# KiCad board GateMateA1-EVB_Rev_A.kicad_pcb (continued)
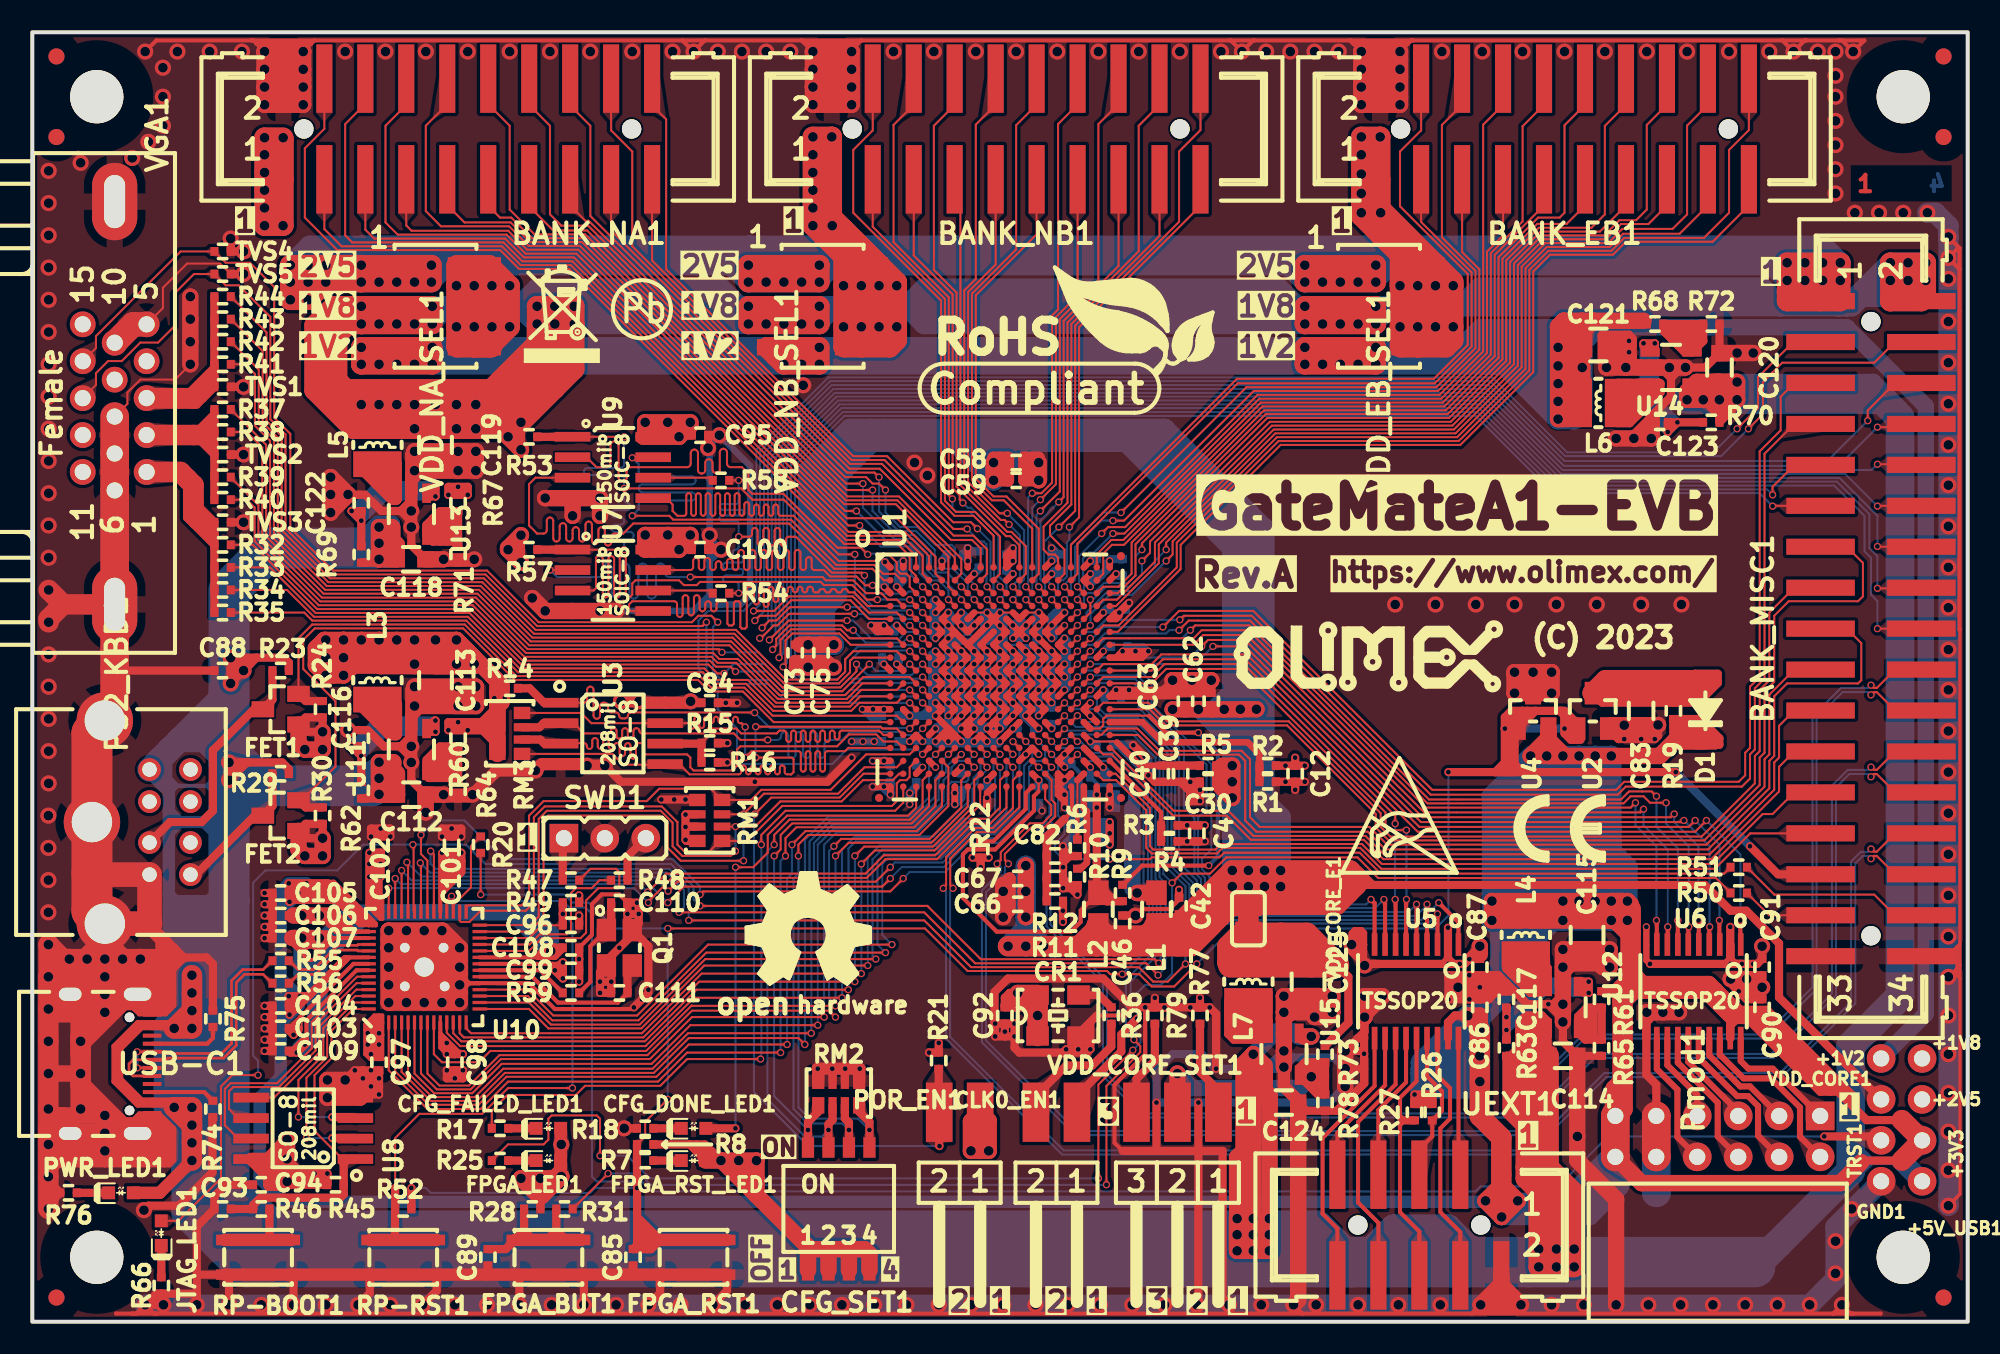
[diagram p0: board, top side]
## Routing (per net, layer and track width the routed paths; a pad name or vN(x,y) marks a point on that pad's centre or on a via; arc(x,y) is an arc through that point) (continued)
VDD_CORE: length 753.7
  Top w0.406: U1.G6 v2(57.6,41.6) U1.H7 v2(57.6,40.8) U1.J6 v2(57.6,40) U1.K7 v2(57.6,39.2) U1.L6 v2(57.6,38.4) U1.M7 v2(57.6,37.6) U1.N6 ; U1.G10 v2(60.8,41.6) U1.H11 v2(60.8,40.8) U1.J10 v2(60.8,40) U1.K11 v2(60.8,39.2) U1.L10 v2(60.8,38.4) U1.M11 v2(60.8,37.6) U1.N10 ; U1.N8 v2(59.2,37.6) U1.M9 v2(59.2,38.4) U1.L8 v2(59.2,39.2) U1.K9 v2(59.2,40) U1.J8 v2(59.2,40.8) U1.H9 v2(59.2,41.6) U1.G8 U1.F9 ; U1.G12 v2(62.4,41.6) U1.H13 v2(62.4,40.8) U1.J12 v2(62.4,40) U1.K13 v2(62.4,39.2) U1.L12 v2(62.4,38.4) U1.M13 v2(62.4,37.6)
  Top w0.508: C73.2 47.6,42.01 ; 68.2,23.3 68.2,23.59 C46.1 ; R73.2 81.6,18.56 81.6,21.4 80.88,22.12 ; 73.8,33.5 73.8,34.5 R5.1 C30.1 ; 73.8,33.5 v1(74.4,33.5) ; 73.8,33.5 C30.1 ; 83.1,27.1 77.5,27.1 v1(77.4,27) ; 83.1,27.1 103.7,27.1 105.3,25.5 106.27,25.5 108.3,23.47 108.3,20.12 VDD_CORE1.1 ; 83.1,27.1 82.6,27.6 ; v1(77.4,28) 77.8,27.6 82.6,27.6 ; C46.1 67.6,23.3 ; C46.1 66.39,24.19 66,24.58 ; 82.6,27.6 82.2,28 77,28 ; C30.1 73.41,33.49 73.65,33.25
  Top w0.762: v1(59.6,52.2) 60,52.6 60,53.6 ; v1(59.6,52.2) 59.6,53.6 60,53.6 ; v1(59.6,52.2) C59.2 ; 60.49,53.51 C59.2 ; C59.2 60.49,53.6 60,53.6
  Top w1.016: v1(61.6,25.1) 61.61,25.11 C66.2 61.61,26.69 v1(61.6,26.7) 61.61,26.71 C67.2 61.61,28.29 v1(61.6,28.3) ; v1(70.7,37.99) C63.2 v1(72.3,37.99) C62.2 v1(73.9,37.99) 74.89,37.99 v1(74.9,38) v1(75.9,38) ; 73.65,33.25 v1(74.4,32.5) v1(74.4,34.5) 73.8,34.5 ; 73.5,26.9 73.5,27.1 v1(74.4,28) ; 72.96,25.76 VDD_CORE_E1.2 74.3,25.76 72.49,23.95 69.07,23.95 ; 47.6,42.01 48.09,42.01 v1(48.1,42) 48.89,42 C75.2 49.69,42.01 v1(49.7,42) ; v1(59.6,53.3) v1(59.6,52.2)
  Top w1.27: L1.1 69.07,23.95 66.63,23.95 ; L1.1 68.42,23.3 68.2,23.3 ; L1.1 70.98,23.3 71.84,23.3 73.12,24.58 ; 66,24.58 66,23.3 67.1,23.3 ; 66,24.58 66.63,23.95 ; 66,24.58 66,24.4 ; 74.41,25.87 76.97,25.87 ; 74.41,25.87 75.97,25.87 77,26.9 ; 74.41,25.87 74.3,25.76 ; 76.97,25.87 77,25.9 ; 76.97,25.87 80.87,25.87 81.6,26.6 ; 71.5,24.9 72.1,24.9 72.96,25.76 ; 71.5,24.9 71.3,24.9 v1(74.4,28) v1(76.4,28) ; 71.5,24.9 73.5,26.9 74.1,26.9 ; 74.8,24 74.1,23.3 74.1,22.3 ; 74.8,24 77.42,24 ; 74.8,24 74.8,22.9 ; v1(77.4,28) 77.4,26.3 77,25.9 ; v1(77.4,28) 81.7,28 82.1,27.6 82.1,27.1 81.6,26.6 ; v1(77.4,28) v1(76.4,28) ; v1(76.4,28) 77,28 77,27.4 ; v1(76.4,28) 77,27.4 ; 74.3,25.76 74.29,25.76 71.83,23.3 68.2,23.3 ; 74.3,25.76 72.96,25.76 ; 74.1,22.3 L7.2 ; 74.1,22.3 74.28,22.12 ; 77,25.9 77,26.9 ; 77,27.4 77,26.9 ; 77,26.9 75.5,26.9 v1(75.4,27) 75.3,26.9 74.1,26.9 ; 66,24.4 67.1,23.3 ; 66,24.4 64.9,23.3 v1(62.7,23.3) ; 67.1,23.3 68.2,23.3 ; v1(60.5,23.3) v1(61.6,23.3) 65.98,23.3 66.63,23.95 ; 72.96,25.76 74.1,26.9 ; 81.6,26.6 77.8,26.6 v1(77.4,27) ; VDD_CORE_E1.1 75.4,25.8 ; 79.12,22.3 79.3,22.12
  Top w1.524: L1.1 71.18,24.58 72.35,25.75 ; 75.4,23.2 L7.2 ; 75.4,23.2 VDD_CORE_E1.1 ; 75.4,23.2 78.2,23.2 78.21,23.21 ; L7.2 79.12,22.3 78.21,23.21 ; L7.2 74.8,22.9 ; 78.21,23.21 77.42,24 ; 77.42,24 79,24 80.88,22.12 74.28,22.12 ; 77.42,24 75.4,24
  In1.Cu w1.016: v1(74.4,34.5) v1(74.4,32.5) ; v1(75.9,38) 73.91,38 v1(73.9,37.99) ; v1(74.4,28) v1(77.4,28) v1(77.4,27) v1(74.4,27) v1(74.4,28)
  In2.Cu w0.127: 62,34 61.98,33.98 61.98,33.18 ; 62,34 61.2,34 ; 62,34 62,34.8 ; 62,34 62.8,34 ; 62.8,37.2 U1.M13 ; 62.8,37.2 62,37.2 ; 62.8,37.2 62.8,36.4 ; 62.8,37.2 63.6,37.2 ; U1.M13 66.8,38 ; U1.M13 62.8,38.8 ; U1.M13 57.2,38 ; 55.6,42.8 54.8,42.8 ; 55.6,42.8 56.4,42.8 ; 55.6,42.8 55.6,41.2 ; 54.8,42.8 54,42.8 53.2,42 ; 54.8,42.8 54.8,41.2 ; U1.J6 62.8,40.4 ; 62.8,40.4 U1.H13 ; 62.8,40.4 U1.K13 ; U1.F9 60.4,42.8 ; U1.F9 59.6,42 ; U1.F9 58.8,42.8 ; U1.F9 59.6,46.8 ; 60.4,42.8 60.4,43.6 ; 60.4,42.8 U1.G10 ; 62,37.2 62,34.8 ; 62,37.2 61.2,37.2 ; 62,37.2 62,41.2 ; 62,34.8 60.4,34.8 ; U1.G8 58,42 ; U1.G8 58.8,42.8 ; U1.G8 v2(59.2,41.6) ; U1.G8 59.6,42 ; U1.G8 58.8,41.3 58.85,41.25 v2(59.2,41.6) ; 58,42 v2(57.6,41.6) ; 58,42 U1.G6 ; 58,42 58.8,42.8 ; 65.2,38.8 66,38.8 ; 65.2,38.8 64.4,38.8 ; 65.2,38.8 65.2,37.2 ; 66,38.8 66.8,38 ; 66,38.8 66,37.2 ; U1.L6 62.8,38.8 ; 62.8,38.8 U1.K13 ; 62.8,38.8 63.6,38.8 ; U1.H11 61.2,37.3 ; U1.H11 60.4,41.2 ; U1.H11 61.2,42 ; U1.H11 v2(60.8,41.6) ; U1.H11 62,41.2 ; 61.2,37.3 61.2,34 ; 61.2,37.3 61.2,37.2 ; 66.8,38 66,37.2 ; 66,37.2 65.2,37.2 ; 58.8,42.8 58.8,43.6 ; 58.8,42.8 58,42.8 ; 58.8,43.6 58.8,44.4 ; 58.8,43.6 60.4,43.6 ; 64.4,37.2 65.2,37.2 ; 64.4,37.2 63.6,37.2 ; 64.4,37.2 64.4,38.8 ; 59.6,46.8 60.4,46 60.4,45.2 ; 59.6,46.8 58.8,46 58.8,45.2 ; 60.4,35.6 62.8,35.6 ; 60.4,35.6 60.4,34.8 ; 60.4,35.6 60.4,36.4 ; 62.8,35.6 62.8,33.2 62.78,33.18 ; 62.8,35.6 62.8,36.4 ; 61.2,34 60.4,34 ; 61.2,34 61.2,33.18 ; 64.4,38.8 63.6,38.8 ; 56.4,42.8 57.2,42.8 ; 56.4,42.8 56.4,41.2 ; 59.6,37.2 61.2,37.2 ; 59.6,37.2 U1.N8 ; 59.6,37.2 U1.H9 ; 59.6,42 U1.H9 ; 59.6,42 U1.G10 ; 59.6,42 v2(59.2,41.6) ; 60.4,43.6 60.4,44.4 ; U1.H9 v2(59.2,41.6) ; U1.H9 60.4,41.2 ; U1.H9 58.8,41.2 ; 60.4,41.2 60.4,36.4 ; 60.4,41.2 v2(60.8,41.6) ; 60.4,41.2 U1.G10 ; 60.4,36.4 62.8,36.4 ; 60.4,34.8 60.4,34 ; 61.2,42 U1.G12 ; 61.2,42 U1.G10 ; 61.2,42 v2(60.8,41.6) ; U1.G12 62,41.2 ; U1.G12 v2(62.4,41.6) ; U1.G12 62.8,42 ; 60.4,34 60.4,33.2 ; 60.4,33.2 60.42,33.18 62.78,33.18 ; 60.4,33.2 61.6,32 62.78,33.18 ; 58,37.2 U1.N8 ; 58,37.2 U1.N6 57.2,38 ; 58,37.2 U1.H7 ; U1.N8 58.8,41.2 ; 63.6,38.8 63.6,37.2 ; U1.G10 v2(60.8,41.6) ; 53.2,42 U1.G6 ; 53.2,42 54,41.2 54.8,41.2 ; v2(62.4,41.6) 62,41.2 ; v2(62.4,41.6) 62.8,42 ; v2(62.4,41.6) U1.H13 ; 62,41.2 U1.H13 ; 58.8,45.2 60.4,45.2 ; 58.8,45.2 58.8,44.4 ; U1.K13 57.2,39.6 ; 61.2,34.8 62.8,34.8 ; 58.8,44.4 60.4,44.4 ; U1.G6 v2(57.6,41.6) ; U1.H7 57.2,41.2 ; U1.H7 v2(57.6,41.6) ; U1.H7 58,42.8 ; U1.H7 58.8,41.2 ; 57.2,41.2 57.2,42.8 ; 57.2,41.2 57.2,39.6 ; 57.2,41.2 56.4,41.2 ; 57.2,41.2 v2(57.6,41.6) ; U1.H13 62.8,42 ; 57.2,42.8 58,42.8 ; 60.4,45.2 60.4,44.4 ; 57.2,39.6 57.2,38 ; 54.8,41.2 55.6,41.2 ; 55.6,41.2 56.4,41.2
  In2.Cu w0.254: 58.85,41.25 58.8,41.2
  In2.Cu w1.016: v1(59.6,53.3) v1(59.6,52.2) 59.6,46.8 ; 53.3,42 v1(49.7,42) v1(48.1,42) ; v1(74.4,28) v1(77.4,28) v1(77.4,27) v1(74.4,27) v1(74.4,28)
  In2.Cu w1.27: v1(75.9,38) 75.89,37.99 v1(72.3,37.99) v1(70.7,37.99) 70.69,38 66.8,38 ; 61.6,24.4 v1(60.5,23.3) v1(62.7,23.3) 61.6,24.4 ; 61.6,24.4 v1(61.6,25.1) ; v1(61.6,25.1) v1(61.6,23.3) ; v1(61.6,25.1) v1(61.6,26.7) v1(61.6,28.3) 61.6,32 ; 61.6,33 61.6,31.82
  Bottom w0.406: v2(60.8,41.6) v2(60.8,37.6)
  Bottom w0.508: C71.2 62.4,38.01 62.4,41.2 ; v2(62.4,41.6) 62.41,41.59 C64.2 62.41,37.61 v2(62.4,37.6) v2(62.4,41.6) ; v2(62.4,41.6) v2(62.4,40.8) ; v2(57.6,41.6) v2(57.6,37.6) 57.52,37.68 C51.2 57.52,41.52 v2(57.6,41.6) ; 59.19,37.61 v2(59.2,37.6) v2(59.2,41.6) 59.19,41.59 C61.2 59.19,37.61
  Bottom w1.016: 73.3,37.99 74.4,36.89 74.4,36.5 ; 73.3,37.99 75.89,37.99 v1(75.9,38) ; 73.3,37.99 v1(70.7,37.99) ; v1(72.3,37.99) 72.3,38 ; v1(72.3,37.99) 74.4,35.89 74.4,35.8 ; v1(72.3,37.99) 73.19,37.99 74.4,39.2
  Bottom w1.27: 52.84,55.39 70.21,55.39 71,54.6 ; 52.84,55.39 51.99,55.39 ; 52.84,55.39 52.05,54.6 ; 49.9,53.3 51.2,54.6 ; 49.9,53.3 49.15,52.55 ; 49.9,53.3 49.9,51.8 ; 51.2,54.6 51.99,55.39 ; 51.2,54.6 52.05,54.6 ; 61.9,54.6 67.8,54.6 ; 61.9,54.6 61.9,54.56 59.6,52.26 v1(59.6,52.2) ; 61.9,54.6 60.9,54.6 ; 67.8,54.6 69.4,54.6 ; 67.8,54.6 74.4,48 74.4,47 ; 49.9,51.8 49.9,52.45 52.05,54.6 ; 49.9,51.8 49.9,45.1 49.15,44.35 ; 56.9,54.6 58.3,54.6 ; 56.9,54.6 57.2,54.6 v1(59.6,52.2) ; 56.9,54.6 52.05,54.6 ; 58.3,54.6 60.9,54.6 ; 58.3,54.6 v1(59.6,53.3) 60.9,54.6 ; v1(74.4,28) v1(74.4,27) v1(76.4,27) ; v1(74.4,28) v1(74.4,32.5) v1(74.4,33.5) v1(74.4,34.5) 74.4,47 ; v1(74.4,28) v1(76.4,28) ; v1(74.4,28) 75.4,29 ; v1(76.4,28) 75.4,29 ; v1(76.4,28) 76.4,29.3 ; v1(76.4,28) v1(76.4,27) ; 75.4,29 75.4,50.2 ; 75.4,29 v1(75.4,28) ; v1(48.1,42) v1(49.7,42) 49.15,42.55 49.15,44.35 ; v1(48.1,42) 48.1,43.3 49.15,44.35 ; v1(48.1,42) 48.1,51.5 ; 71,54.6 74.4,51.2 ; 71,54.6 69.4,54.6 ; 74.4,51.2 75.4,50.2 ; 74.4,51.2 74.4,49 ; 75.4,50.2 76.4,49.2 76.4,32.3 ; 49.15,52.55 48.1,51.5 ; 49.15,52.55 49.15,44.35 ; v1(59.6,52.2) 59.6,54.6 ; 61.6,28.29 v1(61.6,26.7) v1(61.6,25.1) ; 74.4,47 74.4,49 ; 76.4,29.3 76.4,29 v1(77.4,28) ; 76.4,29.3 76.4,32.3 ; 76.4,32.3 77.4,31.3 v1(77.4,28) ; v1(77.4,28) v1(77.4,27) v1(76.4,27) ; 51.99,55.39 50.69,55.39 48.1,52.8 48.1,51.5 ; v1(61.6,23.3) v1(60.5,23.3) 61.6,24.4 ; v1(61.6,23.3) v1(61.6,25.1) ; v1(61.6,23.3) v1(62.7,23.3) 61.6,24.4 ; v1(61.6,25.1) 61.6,24.4 ; 74.4,49 74.4,49.6 69.4,54.6
VDD_EB: length 122.3
  Top w0.406: v2(64,44) U1.E14 v2(63.2,43.2) U1.F13 v2(63.2,42.4) ; U1.E17 v2(66.4,44) ; U1.A16 v2(65.6,47.2) ; U1.B18 v2(67.2,46.4)
  Top w1.016: VDD_EB_SEL1.2 85.91,64.31 ; 85.91,64.29 v1(85.9,64.28)
  Top w1.27: v1(87,64.28) 86.72,64.28 84.8,66.2 ; v1(87,64.28) 87,65.63 ; v1(87,64.28) 87,64.45 VDD_EB_SEL1.2 ; v1(87,64.28) v1(87,61.72) 87,61.55 VDD_EB_SEL1.6 ; 87,65.63 83.57,69.06 BANK_EB1.1 ; 87,65.63 88.1,64.53 v1(88.1,64.28) ; BANK_EB1.1 v1(83.57,73.51) v1(82.4,73.51) v1(82.4,68.8) ; BANK_EB1.1 83.57,67.43 ; VDD_EB_SEL1.6 85.91,61.71 v1(85.9,61.72) v1(85.9,64.28) ; VDD_EB_SEL1.6 84.8,61.57 v1(84.8,61.72) ; VDD_EB_SEL1.6 84.84,60.46 84.8,60.5 v1(84.8,61.72) ; VDD_EB_SEL1.6 87.66,60.46 88.1,60.9 v1(88.1,61.72) v1(88.1,64.28) ; VDD_EB_SEL1.2 86.84,65.54 v1(88.1,64.28) ; VDD_EB_SEL1.2 84.8,64.43 v1(84.8,64.28) ; VDD_EB_SEL1.2 85.91,64.29 ; v1(84.8,61.72) v1(84.8,64.28) ; v1(83.6,68.8) v1(82.4,68.8) ; v1(82.4,68.8) 82.4,68.6 83.57,67.43 ; 84.8,66.2 v1(84.8,64.28) ; 84.8,66.2 83.57,67.43
  In2.Cu w0.127: U1.E17 66.8,43.6 ; U1.E17 66,42.8 ; U1.E17 66,44.4 ; U1.E17 65.2,43.6 ; U1.E17 v2(66.4,44) ; 66.8,43.6 v2(66.4,44) ; 66.8,43.6 66.8,43 66.6,42.8 66,42.8 ; 66.8,43.6 66.8,44.4 ; 66,46 66,46.8 ; 66,46 U1.B18 ; 66,46 66,45.2 ; 66,46 65.2,46 ; 66,46.8 66.8,46.8 ; 66,46.8 v2(65.6,47.2) ; 66,46.8 U1.A16 ; 66,46.8 66,47.6 ; 64.4,42.8 66,42.8 ; 64.4,42.8 63.2,42.8 ; 64.4,42.8 64.4,43.6 ; U1.B18 v2(67.2,46.4) ; U1.B18 66.8,46.8 ; U1.B18 67.6,46 ; U1.B18 66.8,44.4 ; v2(67.2,46.4) 67.6,46 ; v2(67.2,46.4) 67.6,46.8 ; v2(67.2,46.4) 66.8,46.8 ; 66.8,46.8 67.6,46.8 ; 65.2,43.6 65.2,42.8 ; 65.2,43.6 65.2,44.4 ; 65.2,43.6 64.4,43.6 ; 65.2,44.4 66,44.4 ; 65.2,44.4 65.2,45.2 ; 65.2,44.4 64.4,44.4 ; 66,44.4 v2(66.4,44) ; 66,44.4 66.8,44.4 ; 66,44.4 66,45.2 ; v2(66.4,44) 66.8,44.4 ; 64.4,43.6 64.4,44.4 ; 64.4,43.6 U1.E14 63.6,42.8 v2(63.2,42.4) ; 64.4,44.4 64.4,45.2 ; 66,47.6 65.2,47.6 ; 66,47.6 67.6,47.6 67.6,46.8 ; 66,47.6 v2(65.6,47.2) ; 65.2,47.6 64.8,47.2 ; 65.2,47.6 v2(65.6,47.2) ; 65.2,46 64.4,46 ; 65.2,46 U1.A16 ; 65.2,46 65.2,45.2 ; 64.4,46 64.4,46.8 ; 64.4,46 64.4,45.2 ; 67.6,46 67.6,46.8 ; v2(65.6,47.2) U1.A16 ; v2(65.6,47.2) 64.8,47.2 ; U1.A16 64.4,46.8 ; 64.4,45.2 65.2,45.2 ; 65.2,45.2 66,45.2 ; 64.8,47.2 64.4,46.8 ; 66,45.2 66.8,45.2
  In2.Cu w0.254: v2(63.2,42.4) v2(63.2,43.2) U1.E14 v2(64,44) 64.4,44.4
  Bottom w0.508: v2(66.4,44) 66.6,44.2 C34.2 ; 63.2,43.49 63.71,44 ; 63.2,43.49 C18.2 C26.2 63.31,42.51 v2(63.2,42.4) v2(63.2,43.2) ; 63.2,43.49 v2(63.2,43.2) ; 63.71,44 v2(64,44) ; 63.71,44 63.45,44 63.2,43.75 v2(63.2,43.2) ; C2.1 67.31,46.29 v2(67.2,46.4) ; v2(65.6,47.2) 65.89,47.2 C10.1 65.71,47.31 v2(65.6,47.2)
  vias: v1(82.4,72.4) v1(82.4,71.2) v1(82.4,70)
VDD_NA: length 101.2
  Top w0.2: v2(58.4,43.2) 58.3,43.1
  Top w0.406: U1.B7 v2(58.4,46.4) ; U1.A5 v2(56.4,47.2) ; v2(57.6,44) U1.E6 v2(57.6,43.2) U1.F7 v2(58.4,43.2) U1.E8
  Top w1.27: BANK_NA1.1 15.57,73.34 15.54,73.34 15.54,70.9 BANK_NA1.1 ; BANK_NA1.1 15.57,68.02 v1(15.55,68) v1(14.4,68) v1(14.4,70.2) v1(14.4,71.3) v1(14.4,72.4) v1(14.4,73.46) v1(15.56,73.46) ; VDD_NA_SEL1.6 26.34,60.46 26.3,60.5 v1(26.3,61.72) v1(26.3,64.28) ; VDD_NA_SEL1.6 28.34,60.46 v1(29.6,61.72) v1(29.6,64.28) 28.34,65.54 VDD_NA_SEL1.2 26.34,65.54 26.3,65.5 v1(26.3,64.28) ; VDD_NA_SEL1.6 28.46,60.46 28.5,60.5 v1(28.5,61.72) v1(28.5,64.28) ; v1(27.4,64.28) 27.4,60.45 ; v1(27.4,64.28) 27.41,64.29 27.41,65.52 27.44,65.52 28.5,64.45 v1(28.5,64.28) ; v1(27.4,64.28) 27.4,62.99 ; 27.4,63.01 VDD_NA_SEL1.4 ; v1(28.5,64.28) v1(26.3,64.28)
  In2.Cu w0.127: 57.2,46 57.2,48.6 ; 57.2,46 U1.B7 ; 57.2,46 57.25,46.05 58.05,46.05 ; 57.2,48.6 56.8,48.6 56.6,48.4 ; 57.2,48.6 58.2,48.6 58.4,48.4 ; v2(57.6,44) 58,44.4 ; v2(57.6,44) U1.E6 ; v2(57.6,44) 57.2,44.4 ; v2(57.6,44) 58,43.6 ; 58,44.4 58,43.2 ; 58,44.4 58.4,44 ; 58,44.4 57.2,44.4 ; 58,44.4 58,45.2 ; U1.E6 56.6,43.6 56.4,43.8 56.4,44.4 ; U1.E6 58,43.6 ; U1.E6 57.2,44.4 ; U1.E6 v2(57.6,43.2) ; 58,43.6 58.4,43.6 ; 58,43.6 v2(58.4,43.2) ; 58,43.6 58.4,44 ; 58,43.6 v2(57.6,43.2) ; 58.4,43.6 v2(58.4,43.2) ; 58.4,43.6 58.4,44 ; 58,43.2 v2(58.4,43.2) ; 58,43.2 v2(57.6,43.2) ; 58,45.2 58,46.4 ; 58,45.2 56.4,45.2 ; 56.4,47.6 v2(56.4,47.2) ; 56.4,47.6 56.4,48.2 56.6,48.4 ; 56.4,47.6 58.4,47.6 ; 58.4,48.4 v2(58.4,46.4) ; 58.4,48.4 56.6,48.4 ; 57.2,44.4 56.4,44.4 ; 57.2,44.4 57.2,46.4 ; 56.4,45.2 56.4,46 ; 56.4,45.2 56.4,44.4
  In2.Cu w0.254: 58.2,46.2 U1.B7 ; 58.2,46.2 v2(58.4,46.4) 58,46.4 ; 58.2,46.2 56.4,46.2 ; 57.6,46.8 U1.A5 ; 57.6,46.8 57.8,46.6 ; 57.6,46.8 57.4,47 ; U1.A5 56.4,46.6 ; U1.A5 56.4,47 ; 56.4,46.6 57.8,46.6 ; 56.4,46.6 56.4,46.4 ; 57.4,47 57.2,47.2 v2(56.4,47.2) 56.4,47 ; 57.4,47 56.4,47 ; 57.2,46.4 57.2,46 56.4,46 56.4,46.2 ; 57.2,46.4 56.4,46.4 ; 57.2,46.4 58,46.4 ; 56.4,46.4 56.4,46.2 ; 57.8,46.6 58,46.4
  Bottom w0.508: v2(56.4,47.2) 56.69,47.49 C7.2 ; 58.39,43.2 57.6,43.99 v2(57.6,44) v2(57.6,43.2) 57.99,42.81 C23.1 ; 58.39,43.2 C31.1 C23.1 ; 58.39,43.2 C23.1 ; 58.39,43.2 v2(58.4,43.2) ; v2(58.4,46.4) 58.7,46.7 C15.1
  vias: v1(14.4,69.1) v1(27.4,61.72)
VDD_NB: length 119.4
  Top w0.406: U1.F11 v2(60.8,43.2) U1.E10 ; U1.F11 v2(60.8,42.4) ; U1.F11 v2(61.6,43.2) U1.E12 ; U1.F11 v2(61.6,42.4) ; U1.B13 v2(63.2,46.4) ; U1.B10 v2(60.8,46.4)
  Top w1.27: VDD_NB_SEL1.6 VDD_NB_SEL1.4 51.41,64.29 51.4,64.3 51.41,64.31 VDD_NB_SEL1.2 ; VDD_NB_SEL1.6 53.16,60.46 ; VDD_NB_SEL1.6 50.34,60.46 50.3,60.5 v1(50.3,61.72) v1(50.3,64.28) 50.3,66.1 ; v1(48.4,68) 50.3,66.1 ; v1(48.4,68) v1(49.6,68) 49.57,68.03 BANK_NB1.1 v1(49.57,73.51) v1(48.4,73.51) v1(48.4,68) ; 50.3,66.1 50.3,67.8 ; 53.16,60.46 52.5,61.12 v1(52.5,61.72) v1(52.5,64.28) 52.5,65.6 51.4,66.7 ; 53.16,60.46 53.6,60.9 v1(53.6,61.72) v1(53.6,64.28) 53.6,64.5 50.3,67.8 ; 50.3,67.8 51.4,66.7 ; 50.3,67.8 49.6,68.5 ; 51.4,66.7 v1(51.4,64.28)
  In2.Cu w0.127: U1.B13 63.6,46 ; U1.B13 v2(63.2,46.4) ; U1.B13 61.2,46 ; U1.B13 62.8,46.4 62.8,46.8 ; U1.B13 62.8,45.2 ; 63.6,46 63.6,45.2 ; 63.6,46 v2(63.2,46.4) ; 63.6,46 63.6,46.8 ; 62.8,46.8 63.6,46.8 ; 62.8,46.8 61.2,46.8 ; 62.8,46.8 v2(63.2,46.4) ; 62.8,46.8 62.8,48.6 ; 63.6,46.8 v2(63.2,46.4) ; 63.6,46.8 63.6,48.4 63.4,48.6 62.8,48.6 ; v2(60.8,46.4) 61.2,46 ; v2(60.8,46.4) 60.4,46.8 ; v2(60.8,46.4) 61.2,46.8 ; 61.2,46 61.2,45.2 ; 61.2,46 61.2,46.8 ; 62,47.6 62,48.6 ; 62,47.6 60.4,47.6 ; 62,47.6 62,44.4 U1.E12 ; 62,47.6 63.6,47.6 ; 60.4,47.6 60.4,48.4 60.6,48.6 61.2,48.6 ; 60.4,47.6 60.4,46.8 ; 60.4,46.8 61.2,46.8 ; 61.2,44.4 60.8,44 v2(60.8,43.2) ; 61.2,44.4 62.8,44.4 ; 61.2,44.4 61.2,43.6 ; 61.2,44.4 61.2,45.2 ; 61.2,46.8 61.2,48.6 ; 63.6,45.2 63.6,44.4 ; 63.6,45.2 62.8,45.2 ; U1.E12 61.2,43.6 ; U1.E12 v2(61.6,43.2) ; U1.E12 62.8,43.6 63.6,44.4 ; U1.E12 62,42.8 ; 61.2,43.6 v2(60.8,43.2) ; 61.2,43.6 v2(61.6,43.2) ; v2(61.6,43.2) 62,42.8 ; v2(61.6,43.2) v2(61.6,42.4) ; v2(61.6,43.2) v2(60.8,43.2) ; v2(61.6,43.2) v2(60.8,42.4) ; 62.8,44.4 63.6,44.4 ; 62.8,44.4 62.8,45.2 ; 62.8,44.4 62.8,43 62.6,42.8 62,42.8 ; 62,42.8 v2(61.6,42.4) ; v2(61.6,42.4) v2(60.8,42.4) ; v2(61.6,42.4) v2(60.8,43.2) ; v2(60.8,43.2) v2(60.8,42.4) ; 62.8,45.2 61.2,45.2 ; 61.2,48.6 62.8,48.6
  Bottom w0.254: v2(60.8,43.2) 60.81,43.2
  Bottom w0.45: v2(61.6,42.4) v2(60.8,42.4) v2(60.8,43.2) ; 60.81,43.2 C32.2
  Bottom w0.457: v2(61.6,43.2) v2(61.6,42.4) 61.21,42.79
  Bottom w0.508: v2(61.6,43.2) 61.6,43.21 C32.2 C24.2 61.21,42.79 ; v2(60.8,46.4) 60.59,46.4 C16.2 ; 63.39,46.59 v2(63.2,46.4) 63.51,46.4 C8.1 63.39,46.59
  vias: v1(48.4,72.4) v1(48.4,71.3) v1(48.4,70.2) v1(48.4,69.1) v1(51.4,61.72)
//CFG_FAILED: length 43.6
  Top w0.127: v2(45.16,16.3) 40.6,16.3 38.94,14.64 34.27,14.64 33.7,14.07 29.47,14.07 28.49,13.09 R17.2 ; v2(45.2,29.6) 45.2,30.2 46.7,31.7 53.5,31.7 54,32.2 U1.V2
  Bottom w0.127: v2(45.2,29.6) 45.2,16.34 v2(45.16,16.3)
/CFG_DONE: length 32.7
  Top w0.127: v2(43.6,28.2) 44.7,28.2 45.6,29.1 45.6,30.2 46.8,31.4 54.3,31.4 54.8,31.9 U1.V3
  Top w0.508: CFG_DONE_LED1.2 v2(43.6,12)
  Bottom w0.127: v2(43.6,28.2) v2(43.6,12)
/CFG_MD0: length 36.8
  Top w0.127: v2(56,35.2) U1.R5
  Top w0.508: RM2.4.1 51.27,13.03 51.91,12.39 v2(51.91,11.9) CFG_SET1.5
  Bottom w0.127: v2(56,35.2) 55.6,34.8 55.6,32.54 54.4,31.34 49.34,31.34 47.9,29.9 47.9,27.8 47.5,27.4 47.5,13.3 48.2,12.6 51.21,12.6 v2(51.91,11.9)
/CFG_MD1: length 36.5
  Top w0.127: v2(47.5,28.9) 47.5,29.6 48.1,30.2 55,30.2 56.8,32 56.8,34.4 U1.T5
  Top w0.508: CFG_SET1.6 50.63,12.36 50.38,12.62 RM2.3.1
  Bottom w0.127: v2(47.5,28.9) 47.5,27.8 47.2,27.5 47.2,13.2 48.1,12.3 50.24,12.3 v2(50.63,11.9)
/CFG_MD2: length 36.4
  Top w0.127: v2(46,29.6) 46,30.2 46.96,31.16 54.42,31.16 55.2,31.94 55.2,33.6 U1.U4
  Top w0.508: RM2.2.1 49.62,12.52 49.37,12.27 CFG_SET1.7
  Bottom w0.127: v2(46,29.6) 45.57,29.17 45.57,13.83 47.92,11.48 48.95,11.48 v2(49.37,11.9)
/CFG_MD3: length 33.4
  Top w0.127: v2(46,28.9) 46.4,29.3 46.4,30.2 47.12,30.92 54.52,30.92 55.6,32 U1.V4
  Top w0.508: CFG_SET1.8 v2(48.09,11.9) 48.09,12.39 48.73,13.03 RM2.1.1
  Bottom w0.127: v2(46,28.9) 46,14 v2(48.09,11.9)
/CLK: length 15.1
  Top w0.127: U10.52 20.11,21.01 17.57,18.47 17.57,16.82 15.31,14.56 12.46,14.56 12.2,14.3 12.2,13.2 12.77,12.64 U8.6
/CLK0: length 69.3
  Top w0.127: v2(70.67,27.23) 71.24,27.8 73.02,27.8 74.03,28.81 82.16,28.81 83.45,27.53 104.39,27.53 105.29,26.62 R50.1 ; U1.N14 v2(64,37.6)
  Top w0.508: CLK0_EN1.1 64.77,14.02 67.52,16.77 67.52,17.82 v2(68.5,18.8)
  Bottom w0.127: v2(68.5,18.8) 68.5,20.4 69,20.9 69.97,20.9 70.67,21.6 v2(70.67,27.23) 70.12,27.78 70.12,35.21 68.43,36.91 64.69,36.91 v2(64,37.6)
/CLK3: length 50.1
  Top w0.127: v2(66.8,28.7) 69.3,28.7 69.42,28.82 73.62,28.82 73.9,29.1 82.3,29.1 83.6,27.8 104.89,27.8 R51.2 ; v2(63.2,35.2) U1.R13
  Bottom w0.127: v2(63.2,35.2) 63.6,34.8 63.6,34 63.6,31.4 64,31 64,30.25 63.4,29.65 63.4,29.2 63.9,28.7 v2(66.8,28.7)
/CSn: length 23.1
  Top w0.127: U10.56 19.91,19.41 18.55,18.05 18.55,16.35 17.5,15.3 17.5,11.83 19.23,10.09 U8.1
  Top w0.508: C93.2 R46.1 13.7,7 13.7,7.25 14.15,7.7 19.1,7.7 19.31,7.91 R45.2 19.31,9.79 19.3,9.8 19.59,10.09 U8.1
/D+: length 5.8
  Top w0.165: U10.47 20.21,23.01 20.15,23.06 19.07,23.06 17.56,21.55 16.49,21.55 15.93,21 R56.2
/D-: length 5.8
  Top w0.165: R55.2 15.93,22.4 16.49,21.85 17.44,21.85 18.95,23.35 20.15,23.35 20.21,23.41 U10.46
/EA_A0: length 37.4
  Top w0.127: U1.M15 v2(64.8,38.4)
  Top w0.254: U5.1 88.43,24.78 v2(87.2,26)
  Bottom w0.127: v2(64.8,38.4) 65.2,38.8 65.85,38.8 66,38.65 66,38.2 66.5,37.7 68.65,37.7 70.86,35.49 70.86,28.34 71.98,27.22 71.98,26.32 73.36,24.94 86.14,24.94 v2(87.2,26)
/EA_A1: length 35.9
  Top w0.127: U1.L16 v2(65.6,39.2)
  Top w0.254: U5.4 v2(86.47,25.9)
  Bottom w0.127: v2(86.47,25.9) 86.47,25.86 85.79,25.18 73.46,25.18 72.22,26.42 72.22,27.36 71.1,28.49 71.1,35.59 68.6,38.09 68.6,39.3 68.27,39.63 66.22,39.63 65.79,39.2 v2(65.6,39.2)
/EA_A2: length 30.5
  Top w0.127: 85.18,26.17 v2(85.2,26.2) ; v2(85.2,30.5) 84.2,30.5 83.9,30.8 83.9,31.6 75,40.5 70.3,40.5 69.4,39.6 U1.K18
  Top w0.254: U5.6 85.18,26.17
  Bottom w0.127: v2(85.2,30.5) v2(85.2,26.2)
/EA_A3: length 33.7
  Top w0.127: U1.K16 v2(65.6,40)
  Top w0.254: U5.8 83.88,26.12 v2(83.8,26.2)
  Bottom w0.127: v2(83.8,26.2) 83.26,25.66 73.74,25.66 72.7,26.7 72.7,27.56 72.29,27.97 72.29,31.29 72.8,31.8 72.8,34.56 69.16,38.2 69.16,39.44 68.49,40.11 65.71,40.11 v2(65.6,40)
/EA_A4: length 50.6
  Top w0.127: v2(103.8,31.1) 103.1,30.4 85.9,30.4 75.2,41.1 70.1,41.1 69.4,40.4 U1.J18 ; 105.9,23.42 U6.1
  Top w0.254: 105.9,23.42 v2(105.9,24.9)
  Bottom w0.127: v2(103.8,31.1) 105.9,29 v2(105.9,24.9)
/EA_A5: length 50.8
  Top w0.127: 103.97,24.47 v2(104,24.5) ; U1.J16 v2(65.6,40.8) ; v2(73.2,41.9) 75.2,41.9 86.1,31 102.3,31 v2(102.4,31.1)
  Top w0.254: U6.4 103.97,24.47
  Bottom w0.127: v2(102.4,31.1) 104,29.5 v2(104,24.5) ; v2(73.2,41.9) 72.1,40.8 v2(65.6,40.8)
/EA_A6: length 51.2
  Top w0.127: v2(71.8,42.9) 72.1,43.2 75.46,43.2 86.5,32.16 98.66,32.16 99.1,32.6 99.9,32.6 100.3,32.2 v2(101.3,32.2) ; U1.H16 v2(65.6,41.6) ; 102.68,24.47 v2(102.7,24.5)
  Top w0.254: U6.6 102.68,24.47
  Bottom w0.127: v2(65.6,41.6) 65.75,41.6 66.55,42.4 71.3,42.4 v2(71.8,42.9) ; v2(102.7,24.5) 102.7,29.5 101.3,30.9 v2(101.3,32.2)
/EA_A7: length 47
  Top w0.127: U1.G18 72,42 72.6,42.6 75.3,42.6 86.3,31.6 99.7,31.6 v2(99.9,31.8) ; 101.4,23.42 U6.8
  Top w0.254: v2(101.4,24.5) 101.4,23.42
  Bottom w0.127: v2(99.9,31.8) 99.9,30.8 101.4,29.3 v2(101.4,24.5)
/EA_A8: length 74.9
  Top w0.127: U1.G16 v2(65.6,42.4) ; 110.04,58.24 BANK_MISC1.5 109.25,58.24 108.4,57.39 108.4,55.3 107.1,54 107.1,40 106.5,39.4 106.5,35.6 106.2,35.3 106.2,33.9 105.8,33.5 98.7,33.5 98.2,33 86.8,33 75.7,44.1 71.1,44.1 v2(70.1,43.1)
  Bottom w0.127: v2(70.1,43.1) 66.44,43.1 65.74,42.4 v2(65.6,42.4)
/EA_B0: length 36.3
  Top w0.127: U1.M14 v2(64,38.4)
  Top w0.254: U5.3 v2(87.12,25.3)
  Bottom w0.127: v2(87.12,25.3) 86.53,24.7 73.2,24.7 71.74,26.16 71.74,27.12 70.62,28.24 70.62,35.39 68.55,37.46 66.4,37.46 65.86,38 64.4,38 v2(64,38.4)
/EA_B1: length 36
  Top w0.127: U1.L15 v2(64.8,39.2)
  Top w0.254: U5.5 v2(85.82,25.9)
  Bottom w0.127: v2(64.8,39.2) 65.2,39.6 65.86,39.6 66.12,39.87 68.39,39.87 68.86,39.4 68.86,38.16 71.4,35.62 71.4,31.9 72.05,31.25 72.05,27.87 72.46,27.46 72.46,26.54 73.58,25.42 85.34,25.42 v2(85.82,25.9)
/EA_B2: length 30.9
  Top w0.127: 84.53,26.18 v2(84.5,26.2) ; v2(84.5,30.9) 84.5,31.4 75.1,40.8 70.2,40.8 69.4,40 66.4,40 U1.K17
  Top w0.254: U5.7 84.53,26.18
  Bottom w0.127: v2(84.5,30.9) v2(84.5,26.2)
/EA_B3: length 33.9
  Top w0.127: U1.K15 v2(64.8,40)
  Top w0.254: U5.9 83.22,25.97 v2(83,26.2)
  Bottom w0.127: v2(83,26.2) 82.7,25.9 73.84,25.9 73,26.74 73,27.6 72.53,28.07 72.53,28.73 73.1,29.3 73.1,34.6 69.4,38.3 69.4,39.7 68.7,40.4 65.2,40.4 v2(64.8,40)
/EA_B4: length 50.4
  Top w0.127: v2(103.1,31.1) 102.7,30.7 86,30.7 75.3,41.4 70,41.4 69.4,40.8 66.4,40.8 U1.J17 ; 104.6,23.42 U6.3
  Top w0.254: 104.6,23.42 v2(104.6,24.9)
  Bottom w0.127: v2(103.1,31.1) 104.6,29.6 v2(104.6,24.9)
/EA_B5: length 51.6
  Top w0.127: v2(72.5,41.9) 72.9,42.3 75.2,42.3 86.2,31.3 101.6,31.3 v2(101.8,31.5) ; U1.J15 v2(64.8,40.8)
  Top w0.254: v2(103.3,24.9) 103.32,24.88 U6.5
  Bottom w0.127: v2(72.5,41.9) 71.8,41.2 65.2,41.2 v2(64.8,40.8) ; v2(101.8,31.5) 101.8,31 103.3,29.5 v2(103.3,24.9)
/EA_B6: length 51.9
  Top w0.127: U1.H15 v2(64.8,41.6) ; v2(100.7,32.6) 100.4,32.9 99,32.9 98.5,32.4 86.6,32.4 75.5,43.5 71.7,43.5 v2(71.1,42.9)
  Top w0.254: U6.7 v2(102.03,24.9)
  Bottom w0.127: v2(100.7,32.6) 100.7,30.7 102.03,29.38 v2(102.03,24.9) ; v2(64.8,41.6) 65.2,42 65.8,42 66.5,42.7 70.3,42.7 70.5,42.9 v2(71.1,42.9)
/EA_B7: length 47.8
  Top w0.127: U1.G17 66.4,42.4 72,42.4 72.5,42.9 75.4,42.9 86.4,31.9 99.1,31.9 v2(99.4,32.2)
  Top w0.254: U6.9 100.72,24.88 v2(100.7,24.9)
  Bottom w0.127: v2(99.4,32.2) 99.4,30.8 100.7,29.5 v2(100.7,24.9)
/EA_B8: length 72.6
  Top w0.127: v2(71.15,43.55) 71.4,43.8 75.6,43.8 86.7,32.7 98.3,32.7 98.8,33.2 106,33.2 106.5,33.7 106.5,35.2 106.8,35.5 106.8,39.3 107.4,39.9 107.4,53.85 109.25,55.7 BANK_MISC1.7 ; U1.G15 v2(64.8,42.4)
  Bottom w0.127: v2(64.8,42.4) 65.2,42.8 65.8,42.8 66.55,43.55 v2(71.15,43.55)
/EB_A0: length 56.7
  Top w0.127: BANK_EB1.19 106.43,69.25 104.18,67 98.8,67 98,66.2 94.1,66.2 93.06,65.16 93.06,58.92 88.54,54.4 77.4,54.4 71.2,48.2 71.2,46.7 67.3,42.8 U1.F18
/EB_A1: length 55.8
  Top w0.127: v2(70.3,47.2) 70.7,47.6 70.7,48.4 70.72,48.42 70.72,48.43 77.17,54.88 88.34,54.88 92.58,59.12 92.58,65.36 93.9,66.68 97.8,66.68 98.62,67.5 102.14,67.5 103.89,69.25 BANK_EB1.17 ; U1.F16 v2(65.6,43.2)
  Bottom w0.127: v2(70.3,47.2) 68.2,45.1 66.8,45.1 65.86,44.16 65.86,44.16 65.6,43.9 v2(65.6,43.2)
/EB_A2: length 50.8
  Top w0.127: BANK_EB1.15 101.35,69.25 100.2,68.1 98.5,68.1 97.56,67.16 93.7,67.16 92.1,65.55 92.1,59.31 88.14,55.36 76.97,55.36 69.84,48.23 69.84,47.06 67.19,44.4 U1.D18
/EB_A3: length 50.9
  Top w0.127: BANK_EB1.13 98.81,69.25 97.19,67.63 93.51,67.63 91.63,65.75 91.63,59.51 87.95,55.83 76.73,55.83 69.3,48.4 69.3,47.7 v2(68.8,47.2) ; U1.E16 65.6,44 v2(65.6,44.8)
  Bottom w0.127: v2(68.8,47.2) 68.8,46.38 68.02,45.6 66.56,45.6 65.76,44.8 v2(65.6,44.8)
/EB_A4: length 45.8
  Top w0.127: U1.C18 67.3,45.2 68.4,46.3 68.4,48.24 76.47,56.31 87.75,56.31 91.15,59.71 91.15,65.95 93.31,68.11 95.13,68.11 96.27,69.25 BANK_EB1.11
/EB_A5: length 43.4
  Top w0.127: U1.B17 66.4,46.4 66.4,47.66 66.94,48.2 67.69,48.2 76.27,56.79 87.55,56.79 90.67,59.91 90.67,66.19 93.73,69.25 BANK_EB1.9
/EB_A6: length 44.8
  Top w0.127: U1.D16 v2(64.8,44.8) ; v2(67,48.9) 67.71,48.9 76.08,57.27 87.35,57.27 90.19,60.11 90.19,66.39 91.19,67.39 BANK_EB1.7